# Altium PCB TODO.PcbDoc
Units mil, origin at the board's own origin, x right, y up, seen from the top; angles counter-clockwise.
Board outline 10385 x 4120 mil, 2 copper layers (Top Layer, Bottom Layer); 83 components, 0 nets, 404 pads, 0 vias.
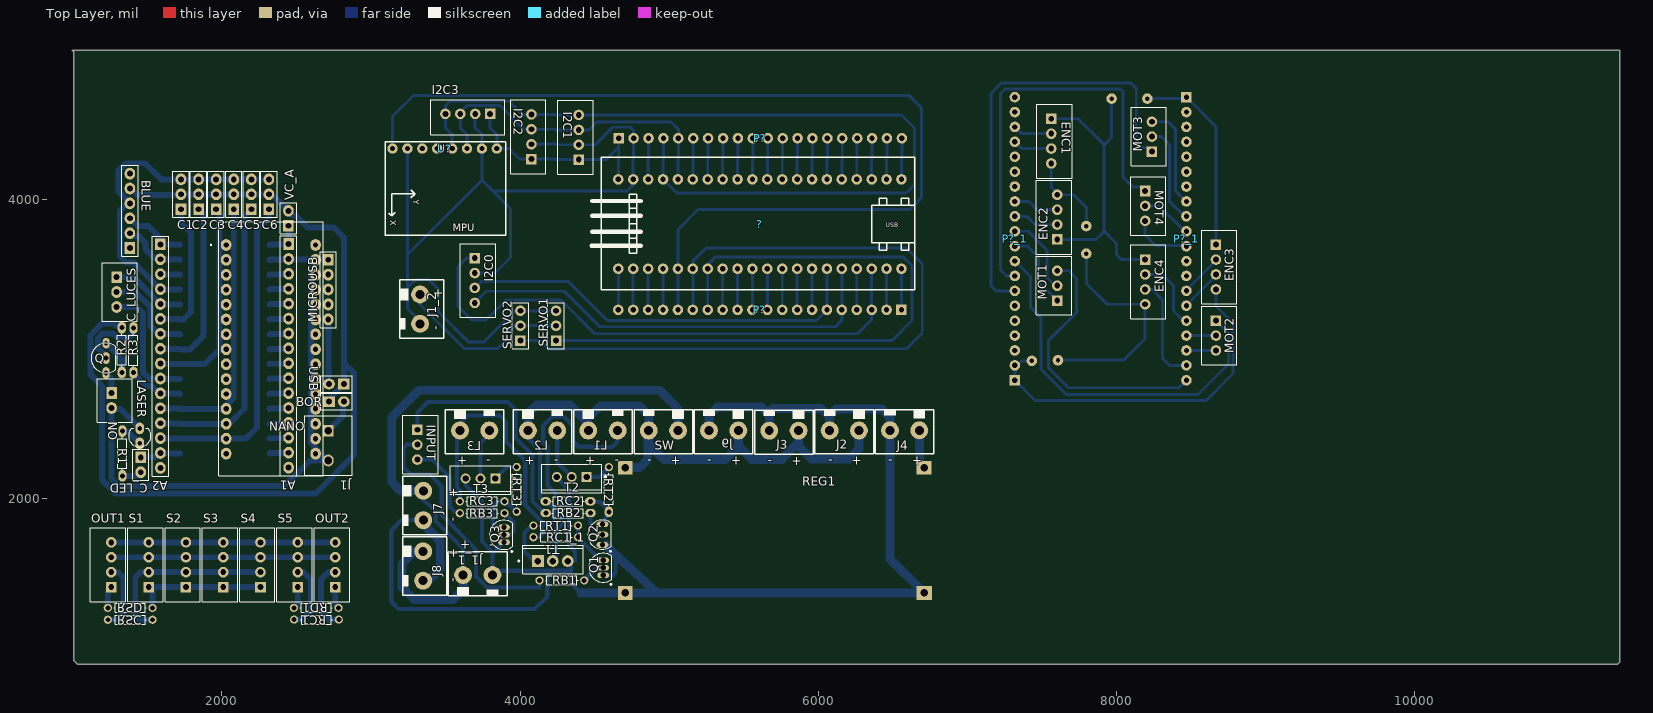
[diagram p0: Top Layer view]
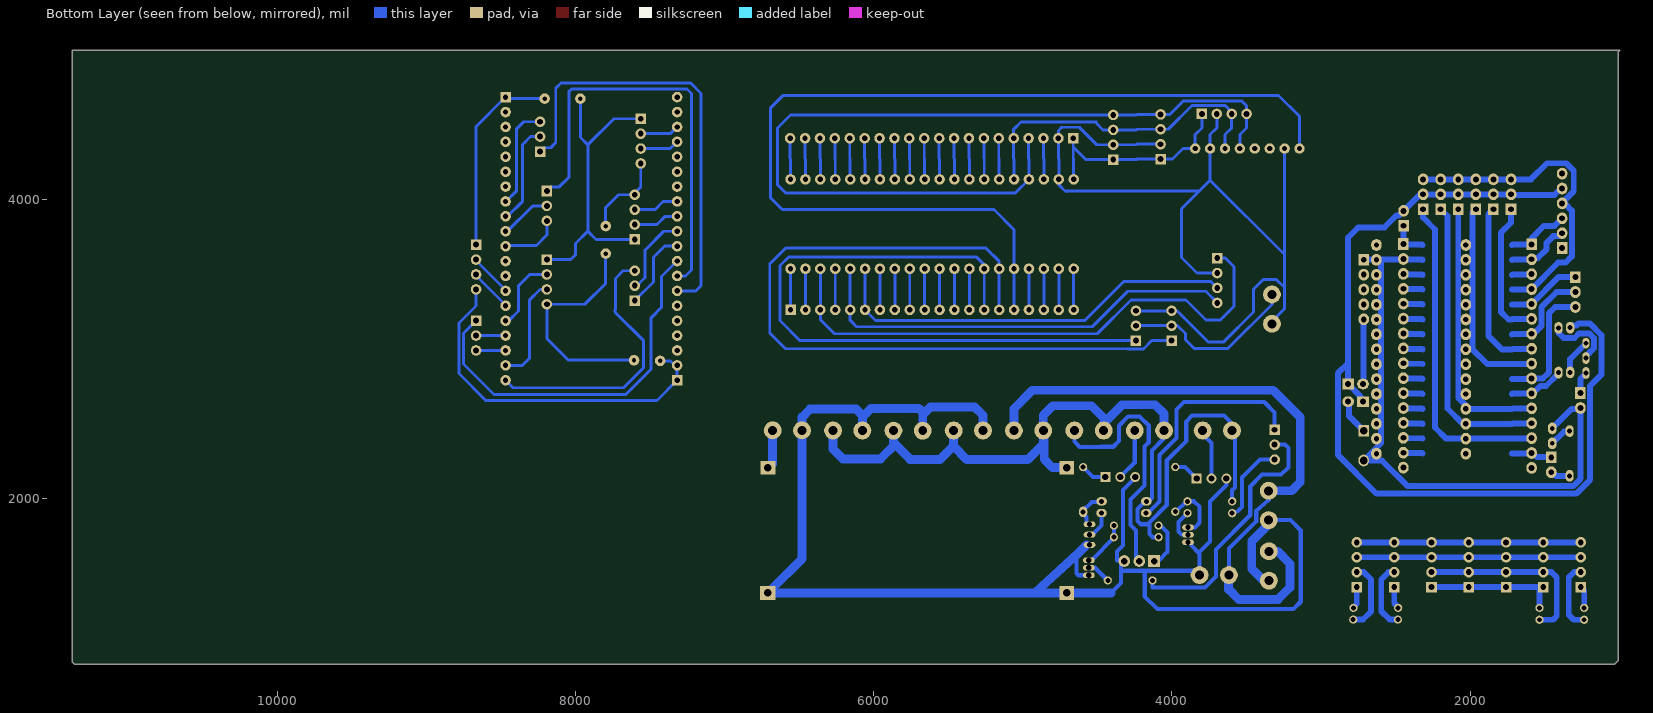
[diagram p1: Bottom Layer view, seen from below]

## Layer stack, top to bottom
Top Solder: solder mask 0.4, Solder Resist, Dk 3.5
Top Layer: signal copper 1.4
Dielectric 1: dielectric 12.6, FR-4, Dk 4.8
Bottom Layer: signal copper 1.4
Bottom Solder: solder mask 0.4, Solder Resist, Dk 3.5

## Board outline
1005,910 1005,4995 995,5005 11380,5005 11380,900 11365,885 1030,885

## Design rules (kind name [scope] priority, off if disabled: settings)
Clearance [All] p1: gap=10 ignorepadtopadclearanceinfootprint=FALSE except(0: Arc-Hole Track-Hole SMDPad-Hole THPad-Hole Via-Hole Fill-Hole Poly-Hole Region-Hole Text-Hole)
PolygonConnect [All] p1: connectstyle=Relief reliefconductorwidth=10 reliefentries=4 polygonreliefangle="90 Angle" airgapwidth=10
RoutingVias [All] p1: holewidth=28 width=50 viastyle="Through Hole" minholewidth=28 minwidth=50 maxholewidth=28 maxwidth=50
SolderMaskExpansion [All] p1: expansion=4
Width [All] p1: maxlimit=10 minlimit=10 preferedwidth=10
30 further rules are at their usual default settings.

## Components (designator, comment, footprint, x,y, rotation, side; value= is the part's Value field where it differs from the comment)
? "STM32F103C8T6 module with ARM Cortex-3, 20kB SRAM, 64kB Flash, 72MHz" STM32F103C8T6-MODULE 5659.65,3838.07 r180 top
A1 "Connector" "1x16x2.54 Pin Header TH V" 2447,3704 r270 top
A2 "Connector" "1x16x2.54 Pin Header TH V" 1587,3702 r270 top
BLUE "Connector" "1x6x2.54 Pin Header TH V" 1382,3927 r90 top
BOR "Connector" "1x2x2.54 Pin Header TH V" 2768,2647 r0 top
C1 "PWM1" "1x3x2.54 Pin Header TH V"#1 1725,4038 r90 top
C2 "PWM2" "1x3x2.54 Pin Header TH V"#1 1843,4038 r90 top
C3 "PWM3" "1x3x2.54 Pin Header TH V"#1 1961,4038 r90 top
C4 "PWM4" "1x3x2.54 Pin Header TH V"#1 2079,4038 r90 top
C5 "PWM5" "1x3x2.54 Pin Header TH V"#1 2197,4038 r90 top
C6 "PWM6" "1x3x2.54 Pin Header TH V"#1 2315,4038 r90 top
C_LED "Connector" "1x2x2.54 Pin Header TH V" 1455,2223 r270 top
C_LUCES "Connector" "1x3x2.54 Pin Header TH V"#1 1293,3382 r270 top
ENC1 "Connector" "1x4x2.54 Pin Header TH V" 7565,4395 r270 top
ENC2 "Connector" "1x4x2.54 Pin Header TH V" 7605,3885 r90 top
ENC3 "Connector" "1x4x2.54 Pin Header TH V" 8670,3550 r270 top
ENC4 "Connector" "1x4x2.54 Pin Header TH V" 8195,3450 r270 top
I2C0 "Connector" "1x4x2.54 Pin Header TH V" 3696.46,3459.53 r270 top
I2C1 "Connector" "1x4x2.54 Pin Header TH V" 4394.29,4420.35 r90 top
I2C2 "Connector" "1x4x2.54 Pin Header TH V" 4076.38,4424.29 r90 top
I2C3 "Connector" "1x4x2.54 Pin Header TH V" 3649.41,4577.44 r180 top
INPUT "Connector" "1x3x2.54 Pin Header TH V"#2 3311,2358 r270 top
J1 "1729128" PHOE-1729128-2_V 2714,2352 r270 top
J1_1 "Bateria" CONN2 3716.43,1483 r0 top (schematic designator J1)
J1_2 "CONN2" CONN2 3329.33,3267.4 r270 top (schematic designator J1)
J2 "Driver 2" CONN2 6176,2453 r180 top
J3 "Driver 1" CONN2 5771,2452 r180 top
J4 "Salida 5V" CONN2 6581,2454 r180 top
J7 "Cargador de Bateria" CONN2 3351,1950 r270 top
J8 "Pantalla Bateria" CONN2 3350,1544 r270 top
J9 "Salida Regulador" CONN2 5366.57,2453 r180 top
L1 "Driver 2" CONN2 4556.57,2453 r0 top
L2 "Driver 2" CONN2 4151.57,2453 r0 top
L3 "Driver 2" CONN2 3695.57,2453 r0 top
LASER "Connector" "1x2x2.54 Pin Header TH V" 1259,2654 r270 top
MICROUSB "Connector" "1x5x2.54 Pin Header TH V" 2713,3399 r270 top
MOT1 "Connector" "1x3x2.54 Pin Header TH V"#2 7605,3425 r90 top
MOT2 "Connector" "1x3x2.54 Pin Header TH V"#2 8670,3090 r270 top
MOT3 "Connector" "1x3x2.54 Pin Header TH V"#2 8240,4425 r90 top
MOT4 "Connector" "1x3x2.54 Pin Header TH V"#2 8195,3960 r270 top
NANO "ARDUINO_NANO" *SHIELD_ARDUINO_NANO 2328,2998 r0 top
ON "LED" "LED Red 3mm TH V" 1448,2417 r90 top
OUT1 "Connector" "1x4x2.54 Pin Header TH V" 1257.24,1552.56 r90 top
OUT2 "Connector" "1x4x2.54 Pin Header TH V" 2760.2,1552.56 r90 top
P? "Header 20H" HDR1X20H 4662.4,4413.66 r0 top
P? "Header 20H" HDR1X20H 6559.65,3262.48 r180 top
P?_1 "Header 20H" HDR1X20H 8471.89,4690 r270 top (schematic designator P?)
P?_1 "Header 20H" HDR1X20H 7320.71,2790 r90 top (schematic designator P?)
Q "1N3904" TO92-2.54 1222,2939 r90 top
Q1 "2N3904" TO-92A#1 4558,1532 r0 top
Q2 "2N3904" TO-92A#2 4553,1754 r0 top
Q3 "2N3904" TO-92A#1 3892,1753.15 r0 top
R1 "Res1" AXIAL-0.3#1 1332,2299 r90 top value=1K
R2 "Res1" AXIAL-0.3#1 1328,2993 r90 top value=1K
R3 "Res1" AXIAL-0.3#1 1406,2992 r90 top value=1K
RB1 "Res1" AXIAL-0.3#2 4281,1447 r0 top value=10K
RB2 "Res1" AXIAL-0.3#3 4323,1899 r0 top value=10K
RB3 "Res1" AXIAL-0.3#2 3746,1898 r0 top value=10K
RC1 "Res1" AXIAL-0.3#2 2633.82,1184.09 r180 top value=1K
RC1_1 "Res1" AXIAL-0.3#2 4240,1737 r180 top value=1K (schematic designator RC1)
RC2 "Res1" AXIAL-0.3#3 4322,1978 r180 top value=1K
RC3 "Res1" AXIAL-0.3#2 3746,1978 r180 top value=1K
RD1 "Res1" AXIAL-0.3#2 2632.24,1262.83 r180 top value=1K
REG1 "Voltage regulator IN: 7-35V OUT: ADJ" CP8-ADJ 5709,1804 r0 top
RSC "Res1" AXIAL-0.3#2 1384.21,1183.11 r0 top value=1K
RSD "Res1" AXIAL-0.3#2 1383.82,1262.83 r0 top value=1K
RT1 "Res1" AXIAL-0.3#2 4240,1815 r180 top value=1K
RT2 "Res1" AXIAL-0.3#4 4596,2057 r90 top value=1K
RT3 "Res1" AXIAL-0.3#2 3978,2058 r90 top value=1K
S1 "Connector" "1x4x2.54 Pin Header TH V" 1508.43,1552.56 r90 top
S2 "Connector" "1x4x2.54 Pin Header TH V" 1758.43,1552.56 r90 top
S3 "Connector" "1x4x2.54 Pin Header TH V" 2008.43,1552.56 r90 top
S4 "Connector" "1x4x2.54 Pin Header TH V" 2258.43,1552.56 r90 top
S5 "Connector" "1x4x2.54 Pin Header TH V" 2508.43,1552.56 r90 top
SERVO1 "Connector" "1x3x2.54 Pin Header TH V"#2 4241.73,3156.18 r90 top
SERVO2 "Connector" "1x3x2.54 Pin Header TH V"#2 4002.56,3156.18 r90 top
SW "SWITCH" CONN2 4962,2453 r180 top
T1 "TIP31C" ONSC-TO-220-3-221A-09#1 4220,1577 r90 top
T2 "TIP31C" ONSC-TO-220-3-221A-09#2 4347,2141 r270 top
T3 "TIP31C" ONSC-TO-220-3-221A-09#2 3735,2131 r270 top
U? "GY-521MPU6050" GY-521 3489.49,3915.16 r270 top
USB "Connector" "1x2x2.54 Pin Header TH V" 2768,2765 r180 top
VC_A "Connector" "1x2x2.54 Pin Header TH V" 2446,3877 r90 top

## Footprints (in the part's own frame and the unit in brackets; to place one, negate y for a bottom-side part, rotate by r counter-clockwise, add the part's x,y. Pads: shape width x height; smd on the part's side, far side on the other; paste and mask are expansions set on the pad)
"1x2x2.54 Pin Header TH V" [mm] "1x2x2.54 Pin Header TH V"
  rect 2x1.8 hole 1: 1(-1.27,0)
  oval 2x1.8 hole 1: 2(1.27,0)
  silkscreen extent -2.67,-1.4 2.67,1.4, body extent -2.54,-1.27 2.54,1.27, height 8.55
"1x3x2.54 Pin Header TH V"#1 [mm] "1x3x2.54 Pin Header TH V"
  rect 2x1.8 hole 1: 1(-2.54,0)
  oval 2x1.8 hole 1: 2(0,0) 3(2.54,0)
  silkscreen extent -3.94,-1.4 3.94,1.4, body extent -3.81,-1.27 3.81,1.27, height 8.55
"1x3x2.54 Pin Header TH V"#2 [mm] "1x3x2.54 Pin Header TH V"
  rect 1.8x1.8 hole 1: 1(-2.54,0)
  round 1.8 hole 1: 2(0,0) 3(2.54,0)
  silkscreen extent -5,-2.45 5,3.55, body extent -3.81,-1.27 3.81,1.27, height 8.55
"1x4x2.54 Pin Header TH V" [mm] "1x4x2.54 Pin Header TH V"
  rect 1.8x1.8 hole 1: 1(-3.81,0)
  round 1.8 hole 1: 2(-1.27,0) 3(1.27,0) 4(3.81,0)
  silkscreen extent -6.3,-2.45 6.3,3.55, body extent -5.08,-1.27 5.08,1.27, height 8.55
"1x5x2.54 Pin Header TH V" [mm] "1x5x2.54 Pin Header TH V"
  rect 2x1.8 hole 1: 1(-5.08,0)
  oval 2x1.8 hole 1: 2(-2.54,0) 3(0,0) 4(2.54,0) 5(5.08,0)
  silkscreen extent -6.48,-1.4 6.48,1.4, body extent -6.35,-1.27 6.35,1.27, height 8.55
"1x6x2.54 Pin Header TH V" [mm] "1x6x2.54 Pin Header TH V"
  rect 2x1.8 hole 1: 1(-6.35,0)
  oval 2x1.8 hole 1: 2(-3.81,0) 3(-1.27,0) 4(1.27,0) 5(3.81,0) 6(6.35,0)
  silkscreen extent -7.75,-1.4 7.75,1.4, body extent -7.62,-1.27 7.62,1.27, height 8.55
"1x16x2.54 Pin Header TH V" [mm] "1x16x2.54 Pin Header TH V"
  rect 2x1.8 hole 1: 1(0,0)
  oval 2x1.8 hole 1: 2(2.54,0) 3(5.08,0) 4(7.62,0) 5(10.16,0) 6(12.7,0) 7(15.24,0) 8(17.78,0) 9(20.32,0) 10(22.86,0) 11(25.4,0) 12(27.94,0) 13(30.48,0) 14(33.02,0) 15(35.56,0) 16(38.1,0)
  silkscreen extent -1.4,-1.4 39.5,1.4, body extent -1.27,-1.27 39.37,1.27, height 8.55
*SHIELD_ARDUINO_NANO [mm]
  oval 1.8x2 hole 0.918: 1(-7.62,17.78) 2(-7.62,15.24) 3(-7.62,12.7) 4(-7.62,10.16) 5(-7.62,7.62) 6(-7.62,5.08) 7(-7.62,2.54) 8(-7.62,0) 9(-7.62,-2.54) 10(-7.62,-5.08) 11(-7.62,-7.62) 12(-7.62,-10.16) 13(-7.62,-12.7) 14(-7.62,-15.24) 15(-7.62,-17.78) 16(7.62,-17.78) 17(7.62,-15.24) 18(7.62,-12.7) 19(7.62,-10.16) 20(7.62,-7.62) 21(7.62,-5.08) 22(7.62,-2.54) 23(7.62,0) 24(7.62,2.54) 25(7.62,5.08) 26(7.62,7.62) 27(7.62,10.16) 28(7.62,12.7) 29(7.62,15.24) 30(7.62,17.78)
  silkscreen extent -10.3,-21.59 8.89,21.75, body extent -32.26,-23.5 9,21.5, height 12.64
AXIAL-0.3#1 [mm] "Axial Device, Thru-Hole; 2 Leads; 0.3 in Pin Spacing"
  oval 2x1.4 hole 0.85: 1(-3.81,0) 2(3.81,0)
  silkscreen extent -2.77,-0.76 2.77,0.76
AXIAL-0.3#2 [mm] "Axial Device, Thru-Hole; 2 Leads; 0.3 in Pin Spacing"
  round 1.4 hole 0.85: 1(-3.81,0) 2(3.81,0)
  silkscreen extent -2.77,-0.76 2.77,0.76
AXIAL-0.3#3 [mm] "Axial Device, Thru-Hole; 2 Leads; 0.3 in Pin Spacing"
  oval 1.8x1.4 hole 0.85: 1(-3.81,0) 2(3.81,0)
  silkscreen extent -2.77,-0.76 2.77,0.76
AXIAL-0.3#4 [mm] "Axial Device, Thru-Hole; 2 Leads; 0.3 in Pin Spacing"
  oval 1.8x1.4 hole 0.85: 1(-3.81,0)
  round 1.4 hole 0.85: 2(3.81,0)
  silkscreen extent -2.77,-0.76 2.77,0.76
CONN2 [mil]
  round 120 hole 60: 1(-98.43,0) 2(98.42,0)
  silkscreen extent -197,-138 197,157, body extent -197,-138 197,157, height 394
CP8-ADJ [mil]
  rect 100x92 hole 50: IN+(-1003,400) IN-(-1003,-441) OUT+(1003,400)
  rect 106x92 hole 50: OUT-(1003,-441)
  body extent -1058,-497 1068,448, height 573
GY-521 [mil]
  round 70 / inner round 60 / far side round 70 hole 35.43: ADO(-430,-245) GND(-430,255) INT(-430,-345) SCL(-430,155) SDA(-430,55) VCC(-430,355) XCL(-430,-145) XDA(-430,-45)
  silkscreen extent -475,-396 153,413, body extent -468,-395 162,412, height 159
HDR1X20H [mm] "Connector; Header; 20 Position; Right Angle"
  rect 1.8x1.8 hole 0.9: 1(0,0)
  round 1.8 hole 0.9: 2(2.54,0) 3(5.08,0) 4(7.62,0) 5(10.16,0) 6(12.7,0) 7(15.24,0) 8(17.78,0) 9(20.32,0) 10(22.86,0) 11(25.4,0) 12(27.94,0) 13(30.48,0) 14(33.02,0) 15(35.56,0) 16(38.1,0) 17(40.64,0) 18(43.18,0) 19(45.72,0) 20(48.26,0)
"LED Red 3mm TH V" [mm] "LED Red 3mm TH V"
  oval 2x1.5 hole 0.8: 1(1.27,0) 2(-1.27,0)
  silkscreen extent -1.9,-1.9 1.28,1.9, body extent -1.6,-1.6 1.5,1.6, height 6.6
ONSC-TO-220-3-221A-09#1 [mm] "FM, 3-Leads, Body 10.3x4.85mm, Pitch 2.54mm"
  rect 2x2 hole 1.1: 1(0,2.54)
  round 2 hole 1.1: 2(0,0) 3(0,-2.54)
  silkscreen extent -2.2,-5.15 2.69,5.92, body extent -2.18,-5.15 2.67,5.15, height 19.85
ONSC-TO-220-3-221A-09#2 [mm] "FM, 3-Leads, Body 10.3x4.85mm, Pitch 2.54mm"
  rect 1.7x1.7 hole 1.1: 1(0,2.54)
  round 1.7 hole 1.1: 2(0,0) 3(0,-2.54)
  silkscreen extent -2.21,-5.15 2.69,5.93, body extent -2.18,-5.15 2.67,5.15, height 19.85
PHOE-1729128-2_V [mm] "Receptacle, 2-Leads, Body 8.1x10.16mm, Pitch 5.08mm"
  rect 2x1.8 hole 1.3: 1(-2.54,0)
  oval 2x1.8 hole 1.3: 2(2.54,0)
  silkscreen extent -5.08,-4.05 5.08,4.05, body extent -5.65,-4.05 5.08,4.05, height 10.01
STM32F103C8T6-MODULE [mm]
  round 1.8 hole 0.9: 3.3V_1(25.4,-7.62) 3.3V_2(-17.78,7.62) 5V(20.32,-7.62) GND_1(22.86,-7.62) GND_2(-20.32,7.62) GND_3(-22.86,7.62) PA_0(15.24,7.62) PA_1(12.7,7.62) PA_2(10.16,7.62) PA_3(7.62,7.62) PA_4(5.08,7.62) PA_5(2.54,7.62) PA_6(0,7.62) PA_7(-2.54,7.62) PA_8(-12.7,-7.62) PA_9(-10.16,-7.62) PA_10(-7.62,-7.62) PA_11(-5.08,-7.62) PA_12(-2.54,-7.62) PA_15(0,-7.62) PB_0(-5.08,7.62) PB_1(-7.62,7.62) PB_3(2.54,-7.62) PB_4(5.08,-7.62) PB_5(7.62,-7.62) PB_6(10.16,-7.62) PB_7(12.7,-7.62) PB_8(15.24,-7.62) PB_9(17.78,-7.62) PB_10(-10.16,7.62) PB_11(-12.7,7.62) PB_12(-22.86,-7.62) PB_13(-20.32,-7.62) PB_14(-17.78,-7.62) PB_15(-15.24,-7.62) PC_13(22.86,7.62) PC_14(20.32,7.62) PC_15(17.78,7.62) RESET(-15.24,7.62) VB(25.4,7.62)
  silkscreen extent -25.15,-11.43 29.97,11.18, body extent -25.18,-11.3 28.32,11.2, height 10.69
TO92-2.54 [mm] "TO92, 2.54 pitch"
  oval 2x1.2 hole 0.8: 1(-2.54,0) 2(0,0)
  oval 1.8x1.2 hole 0.8: 3(2.54,0)
  silkscreen extent -2.54,-1.66 2.54,2.54, body extent -2.62,-1.55 2.62,2.3, height 7.3
TO-92A#1 [mm] "TO, Flat Index; 3 In-Line, Axial Leads; Body Dia. 4.5mm; Leads 0.51 x 0.48 mm (max)"
  oval 2x1 hole 0.9: 1(0,-1.27) 2(0,0) 3(0,1.27)
  silkscreen extent -2.48,-2.95 1.5,2.48, body extent -2.48,-2.5 1.5,2.5, height 6.86
TO-92A#2 [mm] "TO, Flat Index; 3 In-Line, Axial Leads; Body Dia. 4.5mm; Leads 0.51 x 0.48 mm (max)"
  oval 2x1 hole 0.9: 1(0,-1.734) 2(0,0) 3(0,1.766)
  silkscreen extent -2.48,-2.95 1.5,2.48, body extent -2.48,-2.5 1.5,2.5, height 6.86

## Part data
?: library part STM32F103C8T6-MODULE, DeviceSetName=STM32F103C8T6-MODULE, GateName_1=G$1, LibraryName=stm32f103c8t6_module, Package=STM32F103C8T6-MODULE, SymbolName_1=STM32F103C8T6-MODULE
A1 A2: library part "Header 1x16"
BLUE: library part "Header 1x6"
BOR C_LED LASER USB VC_A: library part "Header 1x2"
C1 C2 C3 C4 C5 C6 C_LUCES INPUT MOT1 MOT2 MOT3 MOT4 SERVO1 SERVO2: library part "Header 1x3"
ENC1 ENC2 ENC3 ENC4 I2C0 I2C1 I2C2 I2C3 OUT1 OUT2 S1 S2 S3 S4 S5: library part "Header 1x4"
J1: library part CMP-2000-05815-1, "PCB Terminal Block, 13.5 A, 400 V, 2-Pin THD, RoHS, Bulk", Current Rating=13500mA, Manufacturer="Phoenix Contact", Package Description="2-Pin Through Hole Device, Body 8.1 x 10.16 mm, Pitch 5.08 mm", Package Reference=1729128-2, Package Version=03/2015, Voltage Rating=400V, Datasheet URL=https://datasheet.ciiva.com/16046/1729128-16046181.pdf, Datasheet Version=12/2013, Manufacturer URL=http://www.phoenixcontact.com/, Mounting Technology=ThroughHole, No. of Positions=2, No. of Rows=1, Orientation=Horizontal, Package URL=https://www.phoenixcontact.com/online/portal/pi/pxc/product_detail_page/!ut/p/b1/3VdJjqNKFDxLH8AFycySyWY2ozFsEPOMMQaDOX1XedGL_1Vdm5YXJleknhSKeBkvI6EA8ncAo3AYoDhBQGco6KN7VURTdemj9us_IEKEZo_YHiPAEWEFmDGOHMORkqKYCORBZxgL7ZoaZYcbFFUZ3fqxSY6GOuxydWUuHqz1ynmMFygu583Bob0Ewr6Sd_l-5m-kAueHiB0jpRwZwe58wwtkpxtMYd_LmGcDRU02dRNEyWt6Y2ti5pSyJ_reIkzIulrqApdnbT11V5jnCKbYNCvhEM1MCpPByat_X379-iThf08CI5GfOPqfBeS3BRoBOdD55AKVv0iLwCMq-2BrzXWSGRH7pUGD9uwXQjiph3xL0DKQwdGa0JImiIOmBNOestqgwTHSSs2oOep-78apyXQBvNi8ZLaFjvjWvcaUEBu0MC6Wbe-d6mB0FAebo2lUWinqYaZs5DAYzV0RP9yitUjnGJ0iI9xhZkT42OCQNUJJhkgWINNQLP2JFP6OpMg3JCVg70jqHT0lvKOnhHf0lPuOnnLf0VPuWx6_dxwUIvwk5WMkT0kLL1mh61l2yZVSzG3pYV_bqo-mj6uMKwKwdnnW8Jh5RTOJzMOA5c-eJDaZQw4mTMPH02PvS_ZAqNVjVTo2WyYLkwH_KU1mmmG5kjRhDqPXLwwVHvVOjCM60-fpXvTDfMGW1PVFVS1r4e4yVDk4ZdNbkUHvqPqQSeian4UD39fNKmachqdJ1NJbyk8rXT9mXTvPk3oE5meulKGgiruPJek-4I9hTT6G8ZLOyRSm2RRVbThERQad5OS28hdt4YW4vG0stgYYzsWsK4_7y6DZMjJSCqri1kyiZR5vD7pwIrNR7QwPHTcLTI5qT7eRlpHrdGiupYlqQDJ7zy_CND8fWWBoLRXxk1RVcXiBQwbTD4Xi7KL-FuO94t9xaqweXzH, Packing=Bulk, PartNumber=1729128, Pitch=5.08mm, RoHS=TRUE
J1_1 J1_2 J2 J3 J4 J7 J8 J9 L1 L2 L3 SW: library part Bornera
MICROUSB: library part "Header 1x5"
NANO: "ATmega328 Arduino Nano AVR® ATmega AVR MCU 8-Bit Embedded Evaluation Board", Package=None, Availability=Unavailable, MF=Arduino, MP="ARDUINO NANO", Price=None, SnapEDA_Link=https://www.snapeda.com/parts/ARDUINO%20NANO/Arduino/view-part/1128261/?ref=snap
ON: library part "LED Red", "LED Red"
P? P? P?_1 P?_1: "Header, 20-Pin, Right Angle", LatestRevisionDate=17-Jul-2002, LatestRevisionNote="Re-released for DXP Platform.", Publisher="Altium Limited"
Q: "1N3904 NPN Transistor"
Q1 Q2 Q3: "NPN General Purpose Amplifier", ComponentLink1Description="Manufacturer Link", ComponentLink1URL=http://www.fairchildsemi.com/, ComponentLink2Description=Datasheet, ComponentLink2URL=http://www.fairchildsemi.com/ds/2N%2F2N3904.pdf, DatasheetVersion=1997, LatestRevisionDate=15-Jan-2003, LatestRevisionNote="PCB Footprint 'BCY-W3/D4.7' replaced", PackageDescription="TO, Flat Index; 3 In-Line, Axial Leads; Body Dia. 4.5mm; Leads 0.51 x 0.48 mm (max)", PackageReference=TO-92A, PackageVersion=Sep-1998, Published=8-Jun-2000, Publisher="Altium Limited"
R1 R2 R3 RB1 RB2 RB3 RC1 RC1_1 RC2 RC3 RD1 RSC RSD RT1 RT2 RT3: "Resistor", LatestRevisionDate=17-Jul-2002, LatestRevisionNote="Re-released for DXP Platform.", PackageDescription="Axial Device, Thru-Hole; 2 Leads; 0.3 in Pin Spacing", PackageReference=AXIAL-0.3, Published=8-Jun-2000, Publisher="Altium Limited"
REG1: library part CP8-ADJ, DeviceSetName=CP8-ADJ, GateName_1=G$1, LibraryName=userlib, Package=CP8-ADJ, SymbolName_1=VREG-CP8
T1 T2 T3: library part CMP-1048-00031-1, "Complementary Silicon Plastic Power Transistor, 3-Pin TO-220, Tube", Manufacturer="On Semiconductor", ComponentLink1Description="Manufacturer URL", ComponentLink1URL=http://www.onsemi.com/, ComponentLink2Description=Datasheet, ComponentLink2URL=http://www.onsemi.com/pub_link/Collateral/TIP31A-D.PDF, ComponentLink3Description="Package Specification", ComponentLink3URL=http://www.onsemi.com/pub_link/Collateral/221A-09.PDF, DatasheetVersion="Rev. 14", fT Min (MHz)=3, IC Continuous (A)=3, Mounting Technology="Through Hole", PackageDescription="3-Pin Flange Mount, Vertical Straight Lead, Body 9.97 x 4.445 mm, Pitch 2.54 mm", PackageReference=TO-220-3-221A-09, PackageVersion="Rev. AG, 09/2011", Packing=Tube, PartNumber=TIP31C, Polarity=NPN, RoHS=FALSE
U?: Package=GY-521, DeviceName=MPU6050, DeviceSetName=GY-521, GateName_1=G$1, LibraryName=gy-521, SymbolName_1=MPU6050

## Free pads (board coordinates)
  round 70.87 hole 30: 2(7435,2920) 2(7610,2925) 2(7800,3640) 2(7800,3824.96) 2(7970,4680) 2(8210,4680)

## Nets (pads, with @x,y where several pads share a name; then routed paths per layer and width w, separated by ;. In a path a pad name is that pad's centre, name@x,y a point inside that pad or via, vN(x,y) a via of type N, cw(c..) or ccw(c..) an arc to the next point about the centre after c; other vN are vias at no path point)
pads on no net: ?.3.3V_1 ?.3.3V_2 ?.5V ?.GND_1 ?.GND_2 ?.GND_3 ?.PA_0 ?.PA_1 ?.PA_2 ?.PA_3 ?.PA_4 ?.PA_5 ?.PA_6 ?.PA_7 ?.PA_8 ?.PA_9 ?.PA_10 ?.PA_11 ?.PA_12 ?.PA_15 ?.PB_0 ?.PB_1 ?.PB_3 ?.PB_4 ?.PB_5 ?.PB_6 ?.PB_7 ?.PB_8 ?.PB_9 ?.PB_10 ?.PB_11 ?.PB_12 ?.PB_13 ?.PB_14 ?.PB_15 ?.PC_13 ?.PC_14 ?.PC_15 ?.RESET ?.VB A1.1 A1.2 A1.3 A1.4 A1.5 A1.6 A1.7 A1.8 A1.9 A1.10 A1.11 A1.12 A1.13 A1.14 A1.15 A1.16 A2.1 A2.2 A2.3 A2.4 A2.5 A2.6 A2.7 A2.8 A2.9 A2.10 A2.11 A2.12 A2.13 A2.14 A2.15 A2.16 BLUE.1 BLUE.2 BLUE.3 BLUE.4 BLUE.5 BLUE.6 BOR.1 BOR.2 C1.1 C1.2 C1.3 C2.1 C2.2 C2.3 C3.1 C3.2 C3.3 C4.1 C4.2 C4.3 C5.1 C5.2 C5.3 C6.1 C6.2 C6.3 C_LED.1 C_LED.2 C_LUCES.1 C_LUCES.2 C_LUCES.3 ENC1.1 ENC1.2 ENC1.3 ENC1.4 ENC2.1 ENC2.2 ENC2.3 ENC2.4 ENC3.1 ENC3.2 ENC3.3 ENC3.4 ENC4.1 ENC4.2 ENC4.3 ENC4.4 I2C0.1 I2C0.2 I2C0.3 I2C0.4 I2C1.1 I2C1.2 I2C1.3 I2C1.4 I2C2.1 I2C2.2 I2C2.3 I2C2.4 I2C3.1 I2C3.2 I2C3.3 I2C3.4 INPUT.1 INPUT.2 INPUT.3 J1.1 J1.2 J1_1.1 J1_1.2 J1_2.1 J1_2.2 J2.1 J2.2 J3.1 J3.2 J4.1 J4.2 J7.1 J7.2 J8.1 J8.2 J9.1 J9.2 L1.1 L1.2 L2.1 L2.2 L3.1 L3.2 LASER.1 LASER.2 MICROUSB.1 MICROUSB.2 MICROUSB.3 MICROUSB.4 MICROUSB.5 MOT1.1 MOT1.2 MOT1.3 MOT2.1 MOT2.2 MOT2.3 MOT3.1 MOT3.2 MOT3.3 MOT4.1 MOT4.2 MOT4.3 NANO.1 NANO.2 NANO.3 NANO.4 NANO.5 NANO.6 NANO.7 NANO.8 NANO.9 NANO.10 NANO.11 NANO.12 NANO.13 NANO.14 NANO.15 NANO.16 NANO.17 NANO.18 NANO.19 NANO.20 NANO.21 NANO.22 NANO.23 NANO.24 NANO.25 NANO.26 NANO.27 NANO.28 NANO.29 NANO.30 ON.1 ON.2 OUT1.1 OUT1.2 OUT1.3 OUT1.4 OUT2.1 OUT2.2 OUT2.3 OUT2.4 P?.1 P?.2 P?.3 P?.4 P?.5 P?.6 P?.7 P?.8 P?.9 P?.10 P?.11 P?.12 P?.13 P?.14 P?.15 P?.16 P?.17 P?.18 P?.19 P?.20 P?_1.1 P?_1.2 P?_1.3 P?_1.4 P?_1.5 P?_1.6 P?_1.7 P?_1.8 P?_1.9 P?_1.10 P?_1.11 P?_1.12 P?_1.13 P?_1.14 P?_1.15 P?_1.16 P?_1.17 P?_1.18 P?_1.19 P?_1.20 Q1.1 Q1.2 Q1.3 Q2.1 Q2.2 Q2.3 Q3.1 Q3.2 Q3.3 Q.1 Q.2 Q.3 R1.1 R1.2 R2.1 R2.2 R3.1 R3.2 RB1.1 RB1.2 RB2.1 RB2.2 RB3.1 RB3.2 RC1.1 RC1.2 RC1_1.1 RC1_1.2 RC2.1 RC2.2 RC3.1 RC3.2 RD1.1 RD1.2 REG1.IN+ REG1.IN- REG1.OUT+ REG1.OUT- RSC.1 RSC.2 RSD.1 RSD.2 RT1.1 RT1.2 RT2.1 RT2.2 RT3.1 RT3.2 S1.1 S1.2 S1.3 S1.4 S2.1 S2.2 S2.3 S2.4 S3.1 S3.2 S3.3 S3.4 S4.1 S4.2 S4.3 S4.4 S5.1 S5.2 S5.3 S5.4 SERVO1.1 SERVO1.2 SERVO1.3 SERVO2.1 SERVO2.2 SERVO2.3 SW.1 SW.2 T1.1 T1.2 T1.3 T2.1 T2.2 T2.3 T3.1 T3.2 T3.3 U?.ADO U?.GND U?.INT U?.SCL U?.SDA U?.VCC U?.XCL U?.XDA USB.1 USB.2 VC_A.1 VC_A.2
copper on no net: | length 142987.4
  Bottom Layer w19.68: 3144.49,4345.16 3144.49,4561.2 3284.75,4701.46 4044.52,4701.46 6608.82,4701.46 6611.3,4698.98 6695.47,4614.8 6695.47,4016.42 6615.06,3936 5195.28,3936 5059.65,3800.37 5059.65,3538.07 5059.65,3287.09 ; 3244.49,3633.94 3244.49,3644.76 ; 3244.49,4345.16 3244.49,3644.76 ; 3329.33,3168.98 3329.33,3185.71 3245.28,3269.76 3245.28,3411.69 ; 3329.33,3365.83 3329.33,3298.9 3623.62,3004.61 3852.95,3004.61 3910.04,3061.69 3910.04,3104.02 3962.21,3156.18 4002.56,3156.18 4241.73,3156.18 ; 3544.49,4345.16 3544.49,4438.36 3499.41,4483.44 3499.41,4577.44 3499.41,4632.36 3530.12,4663.07 3925.56,4663.07 4014.34,4574.29 4076.38,4574.29 4233.4,4574.29 4237.34,4570.35 4394.29,4570.35 6510.43,4570.36 6559.65,4570.35 6647.24,4482.76 6647.24,4102.05 6591.14,4045.94 5051.77,4045.94 4959.65,4138.07 4959.65,4275 4962.4,4277.76 4962.4,4413.66 4962.4,4415.04 ; 3644.49,4345.16 3644.49,4438.36 3599.41,4483.44 3599.41,4577.44 3599.41,4590.63 3642.14,4633.36 3865.34,4633.36 4024.41,4474.29 4076.38,4474.29 4233.4,4474.29 4237.34,4470.35 4394.29,4470.35 4462.34,4470.35 4507.42,4515.43 ; 3696.46,3309.53 3772.34,3385.41 ; 3696.46,3409.53 3739.37,3452.44 4324.41,3452.44 4585.24,3191.61 5988.78,3191.61 6059.65,3262.48 6059.65,3538.07 ; 3696.46,3509.53 3832.2,3509.53 3936.34,3613.66 3936.34,3940.51 3817.49,4059.36 ; 3696.46,3609.53 3641.34,3609.53 3583.27,3551.46 3583.27,3286.1 3675.79,3193.58 3771.26,3193.58 ; 3699.41,4577.44 3699.41,4483.44 3744.49,4438.36 3744.49,4345.16 3744.49,4132.36 ; 3772.34,3387.48 4296.85,3387.48 4535.04,3149.29 6116.73,3149.29 6159.65,3192.2 6159.65,3262.48 6159.65,3538.07 ; 3774.21,3197.52 3905.12,3328.43 4275.2,3328.43 4501.57,3102.05 6264.32,3102.05 6359.65,3197.37 6359.65,3262.48 6359.65,3538.07 ; 3799.41,4577.44 3799.41,4483.44 3844.49,4438.36 3844.49,4345.16 3925.47,4345.16 3996.34,4274.29 4076.38,4274.29 4233.4,4274.29 4237.34,4270.35 4394.29,4270.35 4570.47,4270.35 4577.76,4270.35 4662.4,4355 ; 4002.56,3056.18 4135.09,3056.18 4191.28,3000 4297.28,3000 6595.28,3004 6699.28,3108 6699.28,3570 6591.44,3677.83 5249.11,3677.83 5159.65,3588.37 5159.65,3538.07 5159.65,3287.09 ; 4076.38,4374.29 4233.4,4374.29 4237.34,4370.35 4394.29,4370.35 4505.46,4370.35 4622.98,4487.87 4739.76,4487.87 4762.4,4465.24 4762.4,4413.66 4762.4,4277.76 4759.65,4275 4759.65,4138.07 4759.65,4101.88 4717.13,4059.36 ; 4241.73,3056.18 4241.73,3056 6495.28,3056 6629.53,3190.25 6629.53,3559.75 6573.45,3615.83 5310.63,3615.83 5259.65,3564.84 5259.65,3538.07 5259.65,3287.09 ; 4241.73,3256.18 4241.73,3254.4 4028.15,3254.4 4028.15,3256.18 4002.56,3256.18 3965.75,3256.18 3755.51,3045.94 3755.51,3045.45 3655.61,3045.45 3452.36,3248.7 3452.36,3401.26 3387.4,3466.22 3299.8,3466.22 3245.28,3411.69 ; 4508.4,4522.32 5013.68,4522.32 ; 4659.65,3287.09 4659.65,3538.07 ; 4659.65,4138.07 4659.65,4275 4662.4,4277.76 4662.4,4355 ; 4662.4,4415.04 4662.4,4413.66 4662.4,4355 ; 4706.3,4057.76 4706.3,4059.36 3817.49,4059.36 ; 4759.65,3287.09 4759.65,3538.07 ; 4859.65,3287.09 4859.65,3538.07 ; 4859.65,4138.07 4859.65,4275 4862.4,4277.76 4862.4,4415.04 ; 4959.65,3287.09 4959.65,3538.07 ; 5013.68,4523.6 5062.4,4474.87 5062.4,4413.66 5062.4,4277.76 5059.65,4275 5059.65,4138.07 ; 5159.65,4138.07 5159.65,4275 5162.4,4277.76 5162.4,4415.04 ; 5259.65,4138.07 5259.65,4275 5262.4,4277.76 5262.4,4415.04 ; 5359.65,3287.09 5359.65,3538.07 ; 5359.65,4138.07 5359.65,4275 5362.4,4277.76 5362.4,4415.04 ; 5459.65,3287.09 5459.65,3538.07 ; 5459.65,4138.07 5459.65,4275 5462.4,4277.76 5462.4,4415.04 ; 5559.65,3287.09 5559.65,3538.07 ; 5559.65,4138.07 5559.65,4275 5562.4,4277.76 5562.4,4415.04 ; 5659.65,3287.09 5659.65,3538.07 ; 5659.65,4138.07 5659.65,4275 5662.4,4277.76 5662.4,4415.04 ; 5759.65,3287.09 5759.65,3538.07 ; 5759.65,4138.07 5759.65,4275 5762.4,4277.76 5762.4,4415.04 ; 5859.65,3287.09 5859.65,3538.07 ; 5859.65,4138.07 5859.65,4275 5862.4,4277.76 5862.4,4415.04 ; 5959.65,3287.09 5959.65,3538.07 ; 5959.65,4138.07 5959.65,4275 5962.4,4277.76 5962.4,4415.04 ; 6059.65,4138.07 6059.65,4275 6062.4,4277.76 6062.4,4415.04 ; 6159.65,4138.07 6159.65,4275 6162.4,4277.76 6162.4,4415.04 ; 6259.65,3287.09 6259.65,3538.07 ; 6259.65,4138.07 6259.65,4275 6262.4,4277.76 6262.4,4415.04 ; 6359.65,4138.07 6359.65,4275 6362.4,4277.76 6362.4,4415.04 ; 6459.65,3287.09 6459.65,3538.07 ; 6459.65,4138.07 6459.65,4275 6462.4,4277.76 6462.4,4415.04 ; 6559.65,3287.09 6559.65,3538.07 ; 6559.65,4138.07 6559.65,4275 6562.4,4277.76 6562.4,4415.04 ; 7320.71,3390 7195,3390 7160,3425 7160,4685 7160,4715 7230,4785 8100,4785 8135,4750 8135,4385 8169.41,4350.59 8214.41,4350.59 8240,4325 ; 7320.71,3490 7265,3490 7225,3530 7225,3540 7225,3580 7225,4715 7255.28,4745.28 8029.72,4745.28 8045,4730 8045,4155 8114.41,4085.59 8169.41,4085.59 8195,4060 ; 7320.71,3590 7425,3485.71 7425,3280 7495,3210 7495,2865 7665,2695 8550,2695 8755,2900 8755,3105 8670,3190 ; 7320.71,3690 7405,3690 7480,3615 7480,3450 7605,3325 ; 7320.71,3790 7410,3790 7535,3665 7535,3480 7552.37,3462.63 7553.52,3462.63 7591.15,3425 7605,3425 ; 7320.71,3890 7400,3890 7455,3835 7605,3835 ; 7320.71,3990 7415,3990 7470,3935 7605,3935 ; 7320.71,4390 7322.58,4390 7367.58,4345 7565,4345 ; 7320.71,4490 7322.58,4490 7367.58,4445 7565,4445 ; 7435,2920 7364.56,2920 7334.56,2890 7320.71,2890 7320.71,2790 7455.71,2655 8605,2655 8784.68,2834.68 8784.68,3174.24 8670,3288.93 8670,3400 ; 7565,4245 7565,4086.87 7605,4046.87 7605,4035 7715,4035 7800,3950 7800,3824.96 ; 7565,4545 7745,4545 7920,4370 ; 7605,3525 7683.47,3525 7735,3473.47 7735,3265 7736.85,3263.15 7736.85,3246.85 7545,3055 7545,2875 7680,2740 8421.89,2740 8471.89,2790 ; 7605,3735 7865,3735 7920,3790 ; 7610,2925 8050,2925 8195,3070 8195,3300 7940,3300 7800,3440 7800,3655 ; 7970,4680 7970,4420 7920,4370 ; 8170,3970 8187.5,3952.5 ; 8195,3400 8240,3400 8310,3330 8310,2940 8360,2890 8471.89,2890 ; 8195,3500 8310,3500 8385,3425 8385,3255 8450,3190 8471.89,3190 ; 8195,3600 8035,3600 8002.5,3632.5 8002.5,3707.5 7920,3790 ; 8195,3870 8195,3765 8265,3695 8471.89,3695 ; 8195,3960 8290,3960 8460,3790 8471.89,3790 ; 8210,4680 8461.89,4680 8471.89,4690 8670,4491.89 8670,3700 ; 8240,4425 8305,4425 8356.89,4373.11 8356.89,3991.89 8458.78,3890 8471.89,3890 ; 8240,4525 8350,4525 8400,4475 8400,4058.45 8468.45,3990 8471.89,3990 ; 8471.89,2990 8670,2990 ; 8471.89,3090 8670,3090 ; 8471.89,3290 8471.89,3295.95 8670,3494.05 8670,3500 ; 8471.89,3390 8471.89,3395.95 8670,3594.05 8670,3600 ; 3244.49,3644.76 3245.28,3643.98 3245.28,3633.15 ; 3245.28,3411.69 3245.28,3633.15 ; 3245.28,3633.15 3744.49,4132.36 ; 3744.49,4132.36 3817.49,4059.36 ; 7920,3790 7920,4370
  Bottom Layer w27.56: 3311,2258 3410,2258 3529,2139 3529,1939.07 3555.97,1912.1 3596,1898 ; 3311,2358 3242,2358 3219,2335 3219,2206 3268,2157 3396,2157 3474.74,2078.26 3474.74,1884.67 3704,1655.41 3704,1474 3779,1399 4131,1399 4131,1447 ; 3311,2458 3311,2574 3381,2644 3920,2644 3969.37,2594.63 3969.37,2403.63 4084,2289 4084,1976.9 4157,1903.9 4157,1899 4173,1899 ; 3351,1851.57 3204.57,1851.57 3136,1783 3136,1304 3186,1254 4097,1254 4183,1340 4183,1511 4184,1512 ; 3351,2048.43 3351,1987 3434.78,1914.22 3434.78,1843.18 3618,1659.96 3618,1483 3620,1481 ; 3596,1978 3596,2052 3577.76,2070.24 3577.76,2408.59 3597.15,2427.99 3597.15,2453 3597.15,2500.15 3650,2553 3865,2553 3904,2514 3904,2383 4035,2252 4035,1952 4152,1835 ; 3635,2131 3635,2087 3746,1976 3746,1707 3814.85,1638.15 3814.85,1626 ; 3735,2131 3735,2368.99 3794,2427.99 3794,2453 ; 3814.85,1483 3814.85,1512 ; 3835,2131 3912,2208 3978,2208 ; 3892,1703.15 3875.51,1703.15 3870.06,1697.69 3870.06,1681.2 3814.85,1626 ; 3892,1753.15 3894.26,1755.41 3935.41,1755.41 3955.15,1775.15 3955.15,1838.85 3896,1898 ; 3892,1803.15 3845.85,1803.15 3814.85,1834.15 3814.85,1941.85 3851,1978 3896,1978 3902,1978 3972,1908 3978,1908 3972.73,1902.73 ; 4053.15,2453 4053.15,2400.85 4135,2319 4135,2001.2 4145.05,1991.15 4158.85,1991.15 ; 4090,1815 4076,1815 4029.34,1768.34 4029.34,1639.66 4088,1581 4141,1581 ; 4118,1737 4130,1737 4152,1759 4152,1835 ; 4172,1978 4179.87,1978 4232.21,1925.66 4232.21,1847.21 4209,1824 4163,1824 4152,1835 ; 4231,2142 4240,2142 4329,2053 4329,1681 4370,1640 4370,1581 4341,1581 4341,1512 ; 4241,1581 4241,1781.33 4279,1819.33 4279,1989 4184,2084 4184,2345.07 4156,2373.07 4156,2486.24 4216.76,2547 4293.78,2547 4356,2484.78 4356,2382 4394,2344 4476.33,2344 4476.09,2343.01 4619.01,2343.01 4655,2379 4655,2453 ; 4250,2453 4250,2239 4336,2153 4340,2153 ; 4390,1815 4390,1737 4390,1733.51 4541.51,1582 4558,1582 ; 4409,1363 4341,1431 4341,1512 ; 4431,1447 4516,1532 4558,1532 ; 4447,2141 4530,2141 4596,2207 ; 4458.15,2453 4458.15,2502.85 4458.15,2537.15 ; 4473,1899 4473,1814.32 4533.32,1754 4553,1754 ; 4478,1978 4472,1978 4477.27,1972.73 4538.15,1972.73 4596,1914.87 4596,1907 4596,1891.67 4574.94,1870.61 4574.94,1828.98 4569.49,1823.52 4553,1823.52 ; 4553,1685.72 4572.69,1685.72 ; 4558,1482 4629,1482 4642,1495 4642,1616.41 ; 4857.66,2447.09 4863.57,2453 ; 6705,1363 6712,1363 ; 3814.85,1512 3814.85,1626 ; 3814.85,1512 4184,1512 ; 4184,1512 4341,1512
  Bottom Layer w39.37: 1233.82,1262.83 1233.82,1379.13 1257.24,1402.56 ; 1234.21,1183.11 1304.49,1183.11 1337.95,1216.57 1337.95,1467.56 1302.95,1502.56 1257.24,1502.56 ; 1257.24,1602.56 1508.43,1602.56 1758.43,1602.56 2008.43,1602.56 2258.43,1602.56 2508.43,1602.56 2760.2,1602.56 ; 1257.24,1702.56 1508.43,1702.56 1758.43,1702.56 2008.43,1702.56 2258.43,1702.56 2508.43,1702.56 2760.2,1702.56 ; 1530.81,1265.85 1533.82,1262.83 1533.82,1377.17 1508.43,1402.56 1758.43,1402.56 2008.43,1402.56 2258.43,1402.56 ; 1534.21,1183.11 1442.28,1183.11 1417.68,1207.72 1417.68,1467.56 1452.68,1502.56 1508.43,1502.56 1758.43,1502.56 2008.43,1502.56 2258.43,1502.56 ; 2482.24,1262.83 2482.24,1267.1 2508.43,1293.28 2508.43,1402.56 ; 2483.82,1184.09 2539.72,1184.09 2595.83,1240.2 2595.83,1453.78 2547.05,1502.56 2508.43,1502.56 ; 2760.2,1402.56 2760.2,1289.14 2782.24,1267.1 2782.24,1262.83 ; 2760.2,1502.56 2713.5,1502.56 2663.74,1452.8 2663.74,1238.23 2717.87,1184.09 2783.82,1184.09
  Bottom Layer w40: 1222,2939 1222,2952.79 1201.22,2973.57 1199.79,2973.57 1168.38,3004.98 1168.38,3073.02 1199.79,3104.43 1268.57,3104.43 1299.37,3073.63 1371.63,3073.63 1406,3108 1406,3142 ; 1222,3039 1328,2933 1328,2843 ; 1223.39,2837.61 1222,2839 1222,2837.04 1259,2800.04 1259,2704 ; 1293,3282 1429,3282 1471.57,3239.43 1471.57,2841.43 1511,2802 1587,2802 1589,2800 1716,2800 1718,2798 ; 1293,3482 1407,3482 1587,3302 1589,3300 1716,3300 1718,3298 ; 1298.91,3376.09 1293,3382 1419,3382 1521.57,3279.43 1521.57,3153.43 1573,3102 1587,3102 1589,3100 1716,3100 1718,3098 ; 1328,3143 1328,3150.72 1321.02,3157.7 1286.01,3157.7 1271.28,3172.43 1196.72,3172.43 1118.38,3094.09 1118.38,2827.62 1193.57,2752.43 1193.57,2123.51 1287.45,2029.63 2627.63,2029.63 2887.37,2289.37 2887.37,2836.63 2818,2906 ; 1332,2149 1422.65,2149 1446.65,2173 1455,2173 1450,2178 ; 1332,2449 1334.89,2446.11 1368.89,2446.11 1448,2367 ; 1382,3877 1434,3825 1504.78,3825 1587,3742.78 1587,3702 1589,3700 1716,3700 1718,3698 ; 1382,4077 1390.35,4077 1433.35,4034 1721,4034 1725,4038 1843,4038 1961,4038 2079,4038 2197,4038 2315,4038 2320.91,4032.09 2340.91,4032.09 2446,3927 2476.63,3896.37 2493.86,3896.37 2575.23,3815 2751,3815 2818,3748 2818,2906 ; 1387.91,3771.09 1382,3777 1386.42,3777 1406.42,3757 1442,3757 1486,3713 1486,3670 1544.16,3611.84 1577.16,3611.84 1587,3602 1589,3600 1716,3600 1718,3598 ; 1403.11,2839.11 1406,2842 1408.89,2839.11 1408.89,2833.4 1490.29,2752 1528.65,2752 1578.65,2702 1587,2702 1589,2700 1716,2700 1718,2698 ; 1442.84,2467 1448,2467 1316.91,2598.09 1264.91,2598.09 1259,2604 1258,2603 1258,2129.79 1308.16,2079.63 2419.1,2079.63 2591.47,2252 2714,2252 2597,2369 2597,3601.5 ; 1455,2273 1455.79,2273.79 1550.43,2273.79 1578.65,2302 1587,2302 1589,2300 1716,2300 1718,2298 ; 1587,2402 1589,2400 1716,2400 1718,2398 2160,2398 2235,2473 2235,3802 2315,3882 2315,3938 ; 1587,2502 1589,2500 1716,2500 1718,2498 2048,2498 2151,2601 2151,3892 2197,3938 ; 1587,2602 1589,2600 1716,2600 1718,2598 2005,2598 2079,2672 2079,3938 ; 1587,2902 1589,2900 1716,2900 1718,2898 1883,2898 1984,2999 1984,3915 1961,3938 1947.57,3924.57 ; 1587,3002 1589,3000 1716,3000 1718,2998 1787,2998 1877,3088 1877,3904 1843,3938 ; 1587,3202 1589,3200 1716,3200 1718,3198 1742,3198 1793,3249 1793,3779 1725,3847 1725,3938 ; 1587,3502 1589,3500 1716,3500 1718,3498 ; 1718,3398 1716,3400 1589,3400 1587,3402 1409,3580 1358.43,3580 1316.57,3621.86 1316.57,3928.57 1365,3977 1382,3977 1382,3980.53 1304,4058.53 1304,4196 1354.37,4246.37 1483.56,4246.37 1591.93,4138 1725,4138 1843,4138 1961,4138 2079,4138 2197,4138 2315,4138 ; 2318,2298 2321,2301 2444,2301 2447,2304 ; 2318,2398 2321,2401 2444,2401 2447,2404 ; 2318,2498 2321,2501 2444,2501 2447,2504 ; 2318,2598 2321,2601 2444,2601 2447,2604 ; 2318,2698 2321,2701 2444,2701 2447,2704 ; 2318,2798 2321,2801 2444,2801 2447,2804 ; 2318,2898 2321,2901 2444,2901 2447,2904 ; 2318,2998 2321,3001 2444,3001 2447,3004 ; 2318,3098 2321,3101 2444,3101 2447,3104 ; 2318,3198 2321,3201 2444,3201 2447,3204 ; 2318,3298 2321,3301 2444,3301 2447,3304 ; 2318,3398 2321,3401 2444,3401 2447,3404 ; 2318,3498 2321,3501 2444,3501 2447,3504 ; 2318,3598 2321,3601 2444,3601 2447,3604 2449.5,3601.5 2597,3601.5 ; 2318,3698 2321,3701 2444,3701 2447,3704 2446.5,3704.5 2446.5,3826.5 2446,3827 ; 2704.57,3590.57 2713,3599 2710.5,3601.5 2597,3601.5 ; 2713,3199 2715.5,3196.5 2715.5,2767.5 2718,2765 ; 2714,2452 2813.57,2551.57 2813.57,2642.57 2818,2647 ; 2718,2647 2733.43,2662.43 2733.43,2680.43 2818,2765 2818,2906
  Bottom Layer w59.06: 3350,1445.57 3384.35,1445.57 3464.31,1525.53 3464.31,1710.69 3351,1824 3351,1851.57 ; 3350,1642.43 3291.43,1642.43 3208,1559 3208,1400.36 3289.36,1319 3552,1319 3620,1387 3620,1481 ; 3351,2048.43 3197.57,2048.43 3139,2107 3139,2542 3320,2723 4937,2723 5060.43,2599.57 5060.43,2453 ; 4053.15,2453 4053.15,2565.15 4114,2626 4335,2626 4458.15,2502.85 ; 4409,1363 4706,1363 4919,1363 ; 4458.15,2537.15 4540,2619 4800,2619 4863.57,2555.43 4863.57,2453 ; 4572.69,1685.72 4626,1632.41 ; 4642,1616.41 4626,1632.41 ; 4706,2204 4802,2204 4857.66,2259.66 4857.66,2447.09 ; 6705,1363 4919,1363 ; 4626,1632.41 4919,1363
  Bottom Layer w60: 4863.57,2453 4863.57,2361.43 4968,2257 5376,2257 5465,2346 5465,2350 ; 5268.15,2453 5268.15,2554.15 5324,2610 5622,2610 5672.57,2559.43 ; 5465,2453 5465,2350 ; 5672.57,2452 5672.57,2559.43 ; 5869.43,2374.57 5869.43,2452 ; 6077.57,2453 6077.57,2543.43 ; 6274.43,2453 6274.43,2327.43 6209,2262 5956,2262 5858,2360 5757.66,2259.66 5555.34,2259.66 5465,2350 ; 6679.43,2454 6679.43,2232.57 6708,2204 6712,2204 ; 6705,1363 6689,1379 6689,1386 6482.57,1592.43 6482.57,2454 6482.57,2543.43 6429,2597 6119,2597 6077.57,2555.57 6077.57,2543.43 ; 5672.57,2559.43 5672.57,2574.57 5700,2602 6019,2602 6077.57,2543.43

## Polygon pours and split planes (outlines as drawn)
no net on Bottom Layer "GND" (solid, pour order 6): 3332,3911
no net on Bottom Layer "GND" (solid, pour order 4): 3324,3923

## Silkscreen, mask and mechanical layers (free items; w line width, h text height)
Mechanical 1:
  lines w10: 2924,1980 2924,4273 1102,4273 1093,4282 1093,1972 2932,1972 ; 3083.27,2953.43 3083.27,4755.59 3091.14,4747.72 6741.73,4747.72 6749.61,4739.84 6749.61,2953.43 6741.73,2961.3 3083.27,2961.3 ; 6820,1087 6826,1081 ; 8790,2640 7070,2640 7070,4810 8795,4810 8795,2645 ; 2942.28,1133.9 2942.28,1918.35 1054.49,1918.35 1054.49,1136.85 1051.54,1133.9 2942.28,1133.9 ; 2942.28,1133.9 2942.28,1133.9 ; 995,5005 1005,4995 1005,910 1030,885 11365,885 11380,900 11380,5005 995,5005 ; 3045,1081 3045,2831 6869,2831 6870,2830 6870,1092 6854,1076 3050,1076 3045,1081

## Text inside footprints (layer, text, board x,y; h text height)
?: Top Overlay "USB" at 6454.65,3818.07 h30
J1_1: Top Overlay "+" at 3598.32,1660.17 h60; Top Overlay "-" at 3795.17,1660.17 h60
J1_2: Top Overlay "+" at 3423.82,3407.17 h60 r270; Top Overlay "-" at 3415.94,3157.17 h60 r270
J2: Top Overlay "+" at 6294.11,2275.83 h60 r180; Top Overlay "-" at 6097.26,2275.83 h60 r180
J3: Top Overlay "+" at 5889.11,2274.83 h60 r180; Top Overlay "-" at 5692.26,2274.83 h60 r180
J4: Top Overlay "+" at 6699.11,2276.83 h60 r180; Top Overlay "-" at 6502.26,2276.83 h60 r180
J7: Top Overlay "+" at 3528.17,2068.11 h60 r270; Top Overlay "-" at 3528.17,1871.26 h60 r270
J8: Top Overlay "-" at 3527.17,1465.26 h60 r270; Top Overlay "+" at 3527.17,1662.11 h60 r270
J9: Top Overlay "+" at 5484.69,2275.83 h60 r180; Top Overlay "-" at 5287.83,2275.83 h60 r180
L1: Top Overlay "+" at 4438.46,2275.83 h60 r180; Top Overlay "-" at 4635.31,2275.83 h60 r180
L2: Top Overlay "+" at 4033.46,2275.83 h60 r180; Top Overlay "-" at 4230.31,2275.83 h60 r180
L3: Top Overlay "+" at 3577.46,2275.83 h60 r180; Top Overlay "-" at 3774.32,2275.83 h60 r180
REG1: Mechanical 3 "0UT+" at 6393,2181 h60; Mechanical 3 "OUT-" at 6393,1331 h60; Mechanical 3 "IN -" at 4793,1331 h60; Mechanical 3 "IN+" at 4793,2181 h60; Mechanical 5 "VALUE" at 4809,1254 h77.5
SW: Top Overlay "+" at 5080.11,2275.83 h60 r180; Top Overlay "-" at 4883.26,2275.83 h60 r180
U?: Top Overlay "MPU" at 3549.49,3790.16 h50; Top Overlay "Y" at 3284.49,4000.16 h40 r270; Top Overlay "X" at 3129.49,3865.16 h40 r270